# Altium PCB PCB_POWER.PcbDoc
Units mm, origin at the board's own origin, x right, y up, seen from the top; angles counter-clockwise.
Board outline 100 x 130 mm, 2 copper layers (Top Layer, Bottom Layer), stack 1.83 mm thick; 86 components, 38 nets, 278 pads, 364 vias.
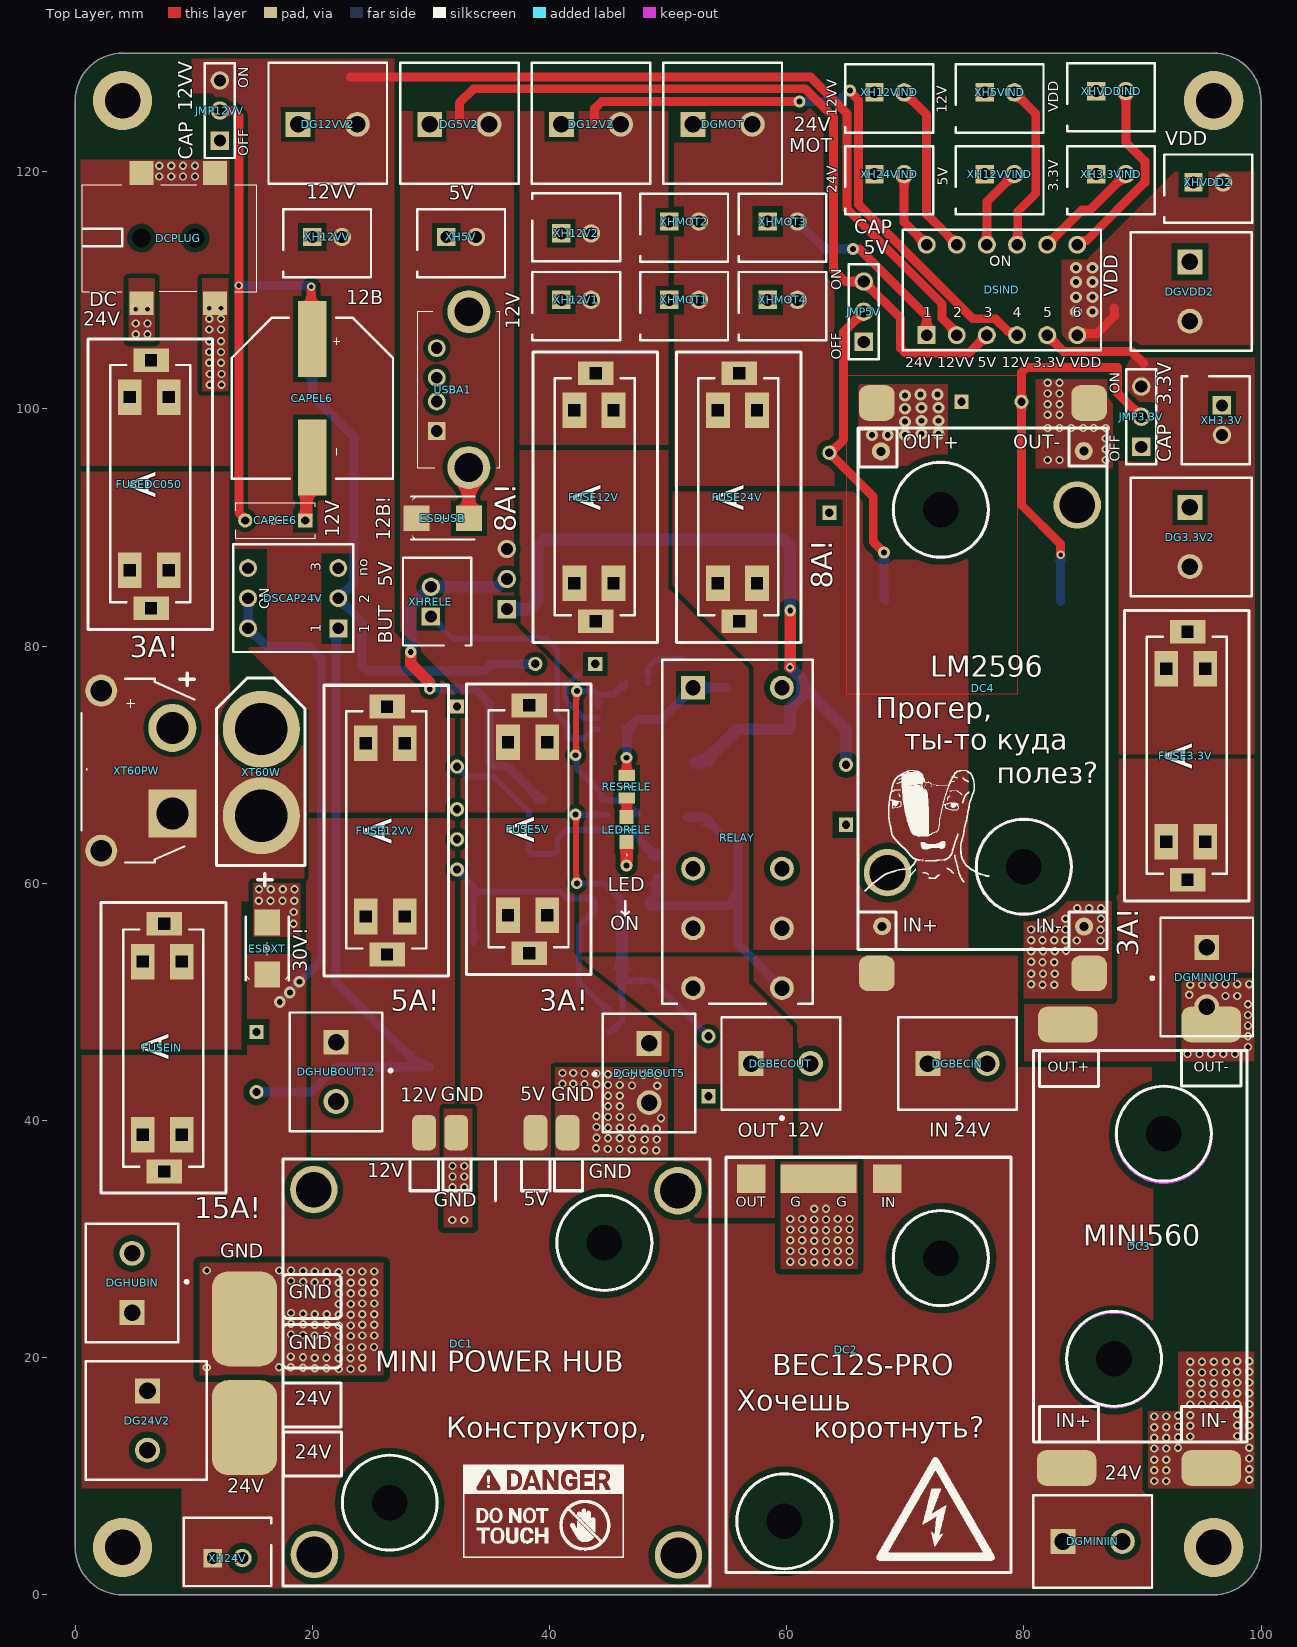
[diagram p0: Top Layer view]
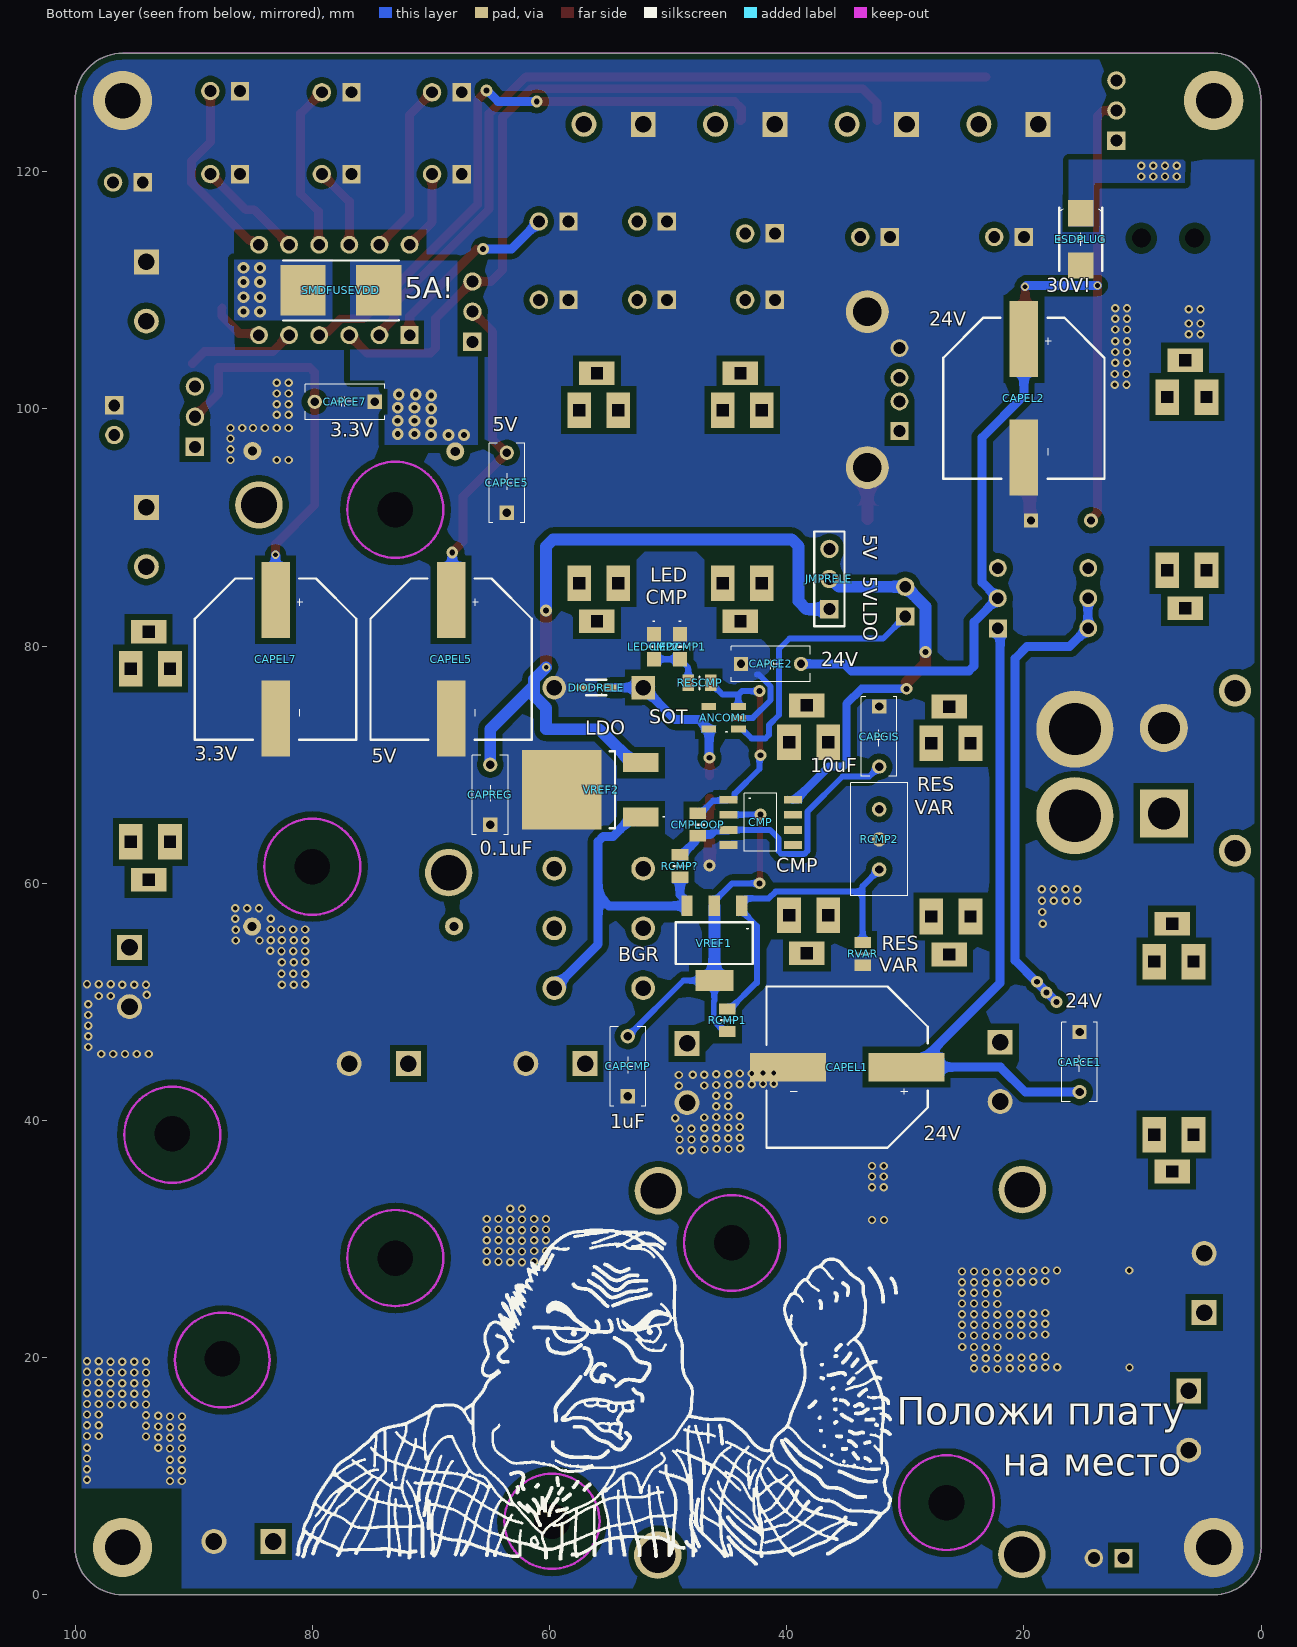
[diagram p1: Bottom Layer view, seen from below]
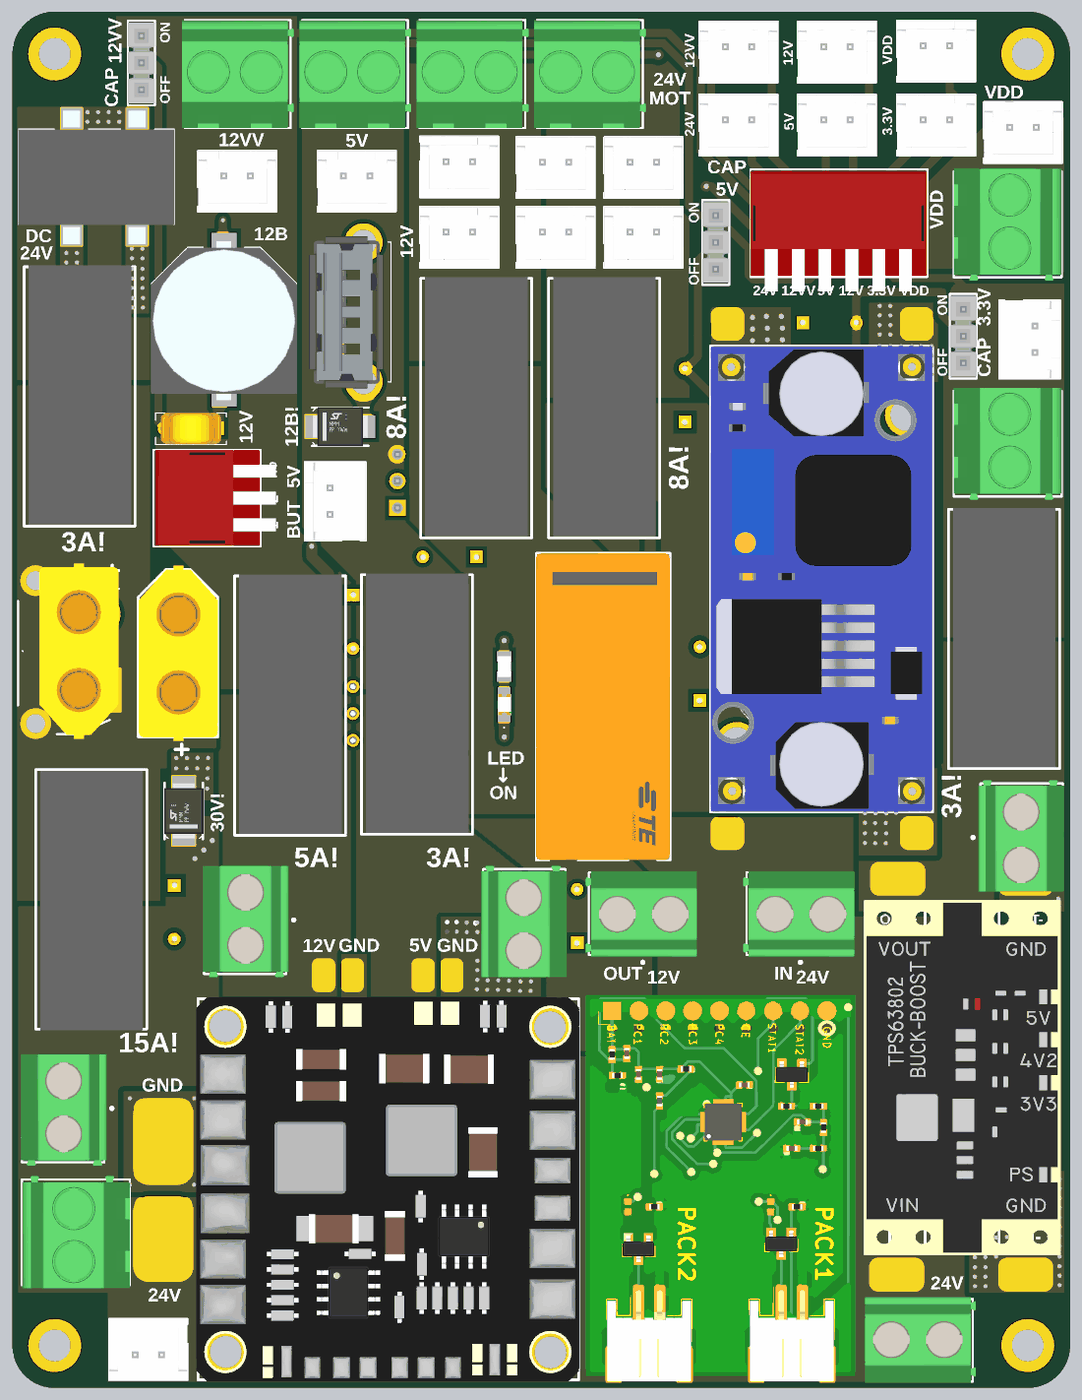
[diagram p2: 3D render of the assembled board from above, using the file's embedded part models]
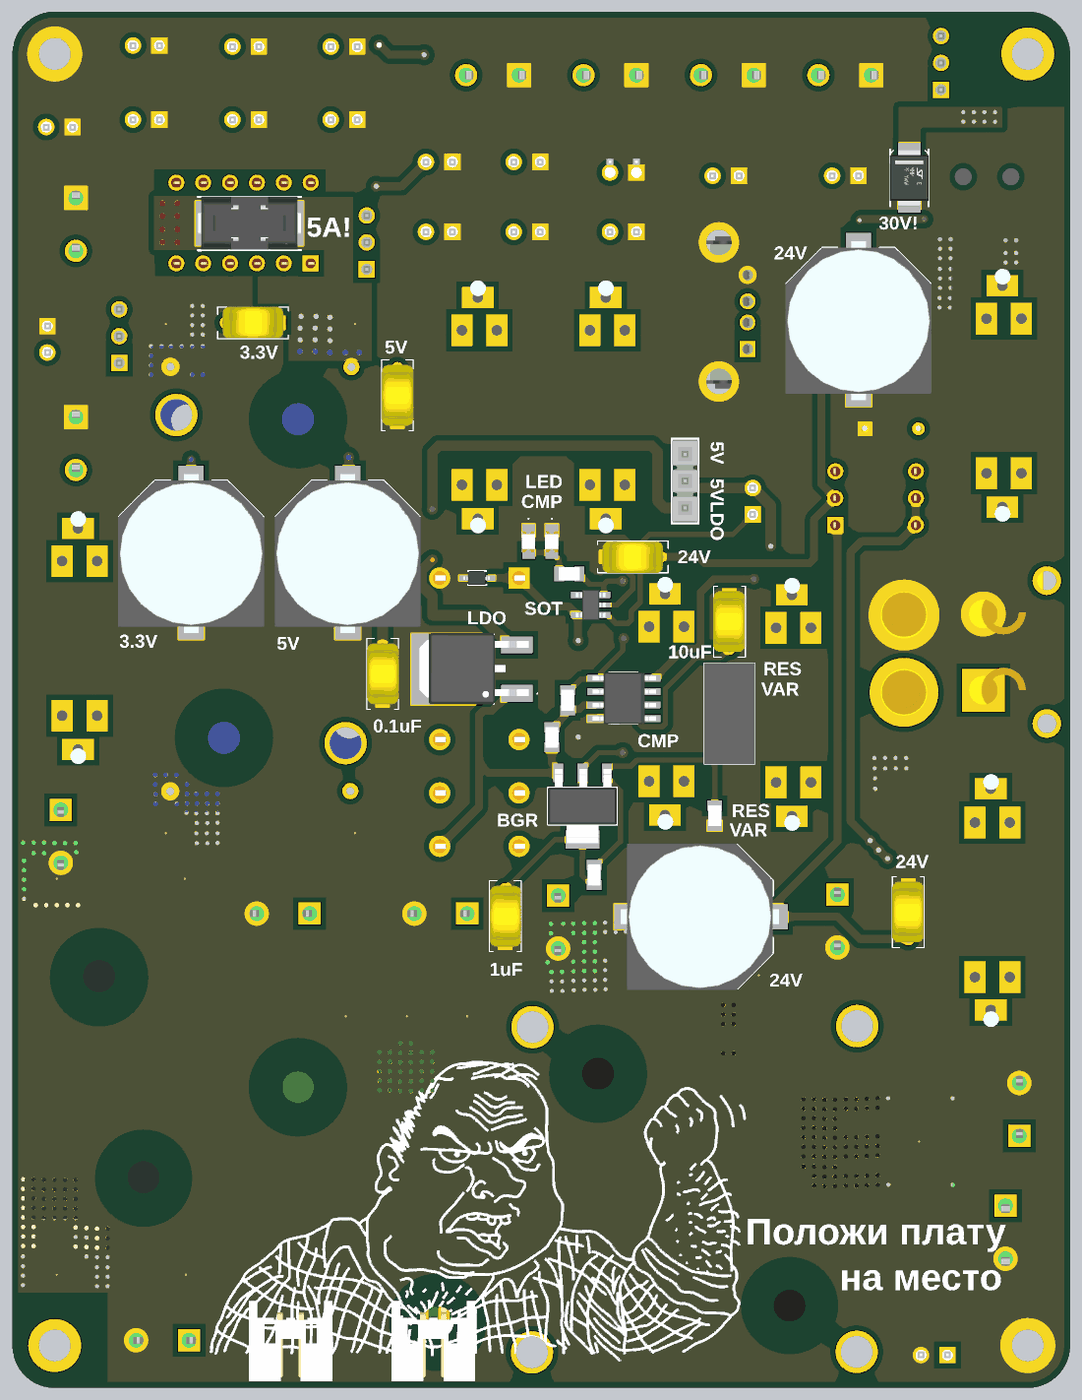
[diagram p3: 3D render of the assembled board from below, using the file's embedded part models]

## Layer stack, top to bottom
Top Solder: solder mask 0.05, Solder Resist, Dk 3.5
Top Layer: signal copper 0
Dielectric 1: dielectric 1.83, FR-4, Dk 4.6
Bottom Layer: signal copper 0
Bottom Solder: solder mask 0.05, Solder Resist, Dk 3.5

## Board outline
4,0 cw(c4,4) 0,4 0,126 cw(c4,126) 4,130 96,130 cw(c96,126) 100,126 100,4 cw(c96,4) 96,0

## Design rules (kind name [scope] priority, off if disabled: settings)
BoardOutlineClearance [All] p1: gap=0.4 ignorepadtopadclearanceinfootprint=FALSE
Clearance Clearance_26 [InNamedPolygon('12VV_L01_P000')] p1: gap=0.4 ignorepadtopadclearanceinfootprint=FALSE
Clearance Clearance_25 [InNamedPolygon('NETFUSEDC050_1_L01_P035')] p2: gap=0.4 ignorepadtopadclearanceinfootprint=FALSE
Clearance Clearance_24 [InNamedPolygon('NETDC1_4_L01_P039')] p3: gap=0.4 ignorepadtopadclearanceinfootprint=FALSE
Clearance Clearance_23 [InNamedPolygon('NETFUSE12V_1_L01_P005')] p4: gap=0.4 ignorepadtopadclearanceinfootprint=FALSE
Clearance Clearance_22 [InNamedPolygon('NETDC2_3_L01_P012')] p5: gap=0.4 ignorepadtopadclearanceinfootprint=FALSE
Clearance Clearance_21 [InNamedPolygon('5V_L01_P047')] p6: gap=0.4 ignorepadtopadclearanceinfootprint=FALSE
Clearance Clearance_20 [InNamedPolygon('12VV_L01_P004')] p7: gap=0.4 ignorepadtopadclearanceinfootprint=FALSE
Clearance Clearance_19 [InNamedPolygon('12VV_L01_P004')] p8: gap=0.4 ignorepadtopadclearanceinfootprint=FALSE
Clearance Clearance_18 [InNamedPolygon('NETDC1_3_L01_P038')] p9: gap=0.4 ignorepadtopadclearanceinfootprint=FALSE
Clearance Clearance_17 [InNamedPolygon('NETDC4_3_L01_P038')] p10: gap=0.4 ignorepadtopadclearanceinfootprint=FALSE
Clearance Clearance_16 [InNamedPolygon('3.3V_L01_P045')] p11: gap=0.4 ignorepadtopadclearanceinfootprint=FALSE
Clearance Clearance_15 [InNamedPolygon('NETDCPLUG_1_L01_P051')] p12: gap=0.4 ignorepadtopadclearanceinfootprint=FALSE
Clearance Clearance_14 [InNamedPolygon('GND_L02_P056')] p13: gap=0.5 ignorepadtopadclearanceinfootprint=FALSE
Clearance Clearance_13 [InNamedPolygon('GND_L02_P056')] p14: gap=0.4 ignorepadtopadclearanceinfootprint=FALSE
Clearance Clearance_12 [InNamedPolygon('12VV_L01_P004')] p15: gap=0.4 ignorepadtopadclearanceinfootprint=FALSE
Clearance Clearance_11 [InNamedPolygon('NETDCPLUG_1_L01_P009')] p16: gap=0.4 ignorepadtopadclearanceinfootprint=FALSE
Clearance Clearance_10 [InNamedPolygon('NETDGMOT_2_L01_P048')] p17: gap=0.4 ignorepadtopadclearanceinfootprint=FALSE
Clearance Clearance_9 [InNamedPolygon('NETDGMOT_2_L01_P048')] p18: gap=0.4 ignorepadtopadclearanceinfootprint=FALSE
Clearance Clearance_8 [InNamedPolygon('VDDIN_L02_P052')] p19: gap=0.4 ignorepadtopadclearanceinfootprint=FALSE
Clearance Clearance_7 [InNamedPolygon('12VV_L01_P004')] p20: gap=0.4 ignorepadtopadclearanceinfootprint=FALSE
Clearance Clearance_6 [InNamedPolygon('5V_L01_P047')] p21: gap=0.4 ignorepadtopadclearanceinfootprint=FALSE
Clearance Clearance_5 [InNamedPolygon('12V_L01_P046')] p22: gap=0.4 ignorepadtopadclearanceinfootprint=FALSE
Clearance Clearance_4 [InNamedPolygon('24V_L01_P041')] p23: gap=0.5 ignorepadtopadclearanceinfootprint=FALSE
Clearance Clearance_3 [InNamedPolygon('24V_L01_P041')] p24: gap=0.8 ignorepadtopadclearanceinfootprint=FALSE
Clearance Clearance_2 [InNamedPolygon('NONET_L01_P011')] p25: gap=0.3 ignorepadtopadclearanceinfootprint=FALSE
Clearance Clearance_1 [InNamedPolygon('24V_L01_P041')] p26: gap=0.3 ignorepadtopadclearanceinfootprint=FALSE
Clearance IN_POLIGON [InNamedPolygon('NETFUSEDC050_1_L01_P035')] p27: gap=0.4 ignorepadtopadclearanceinfootprint=FALSE
Clearance [All] p28: gap=0.2 ignorepadtopadclearanceinfootprint=FALSE except(0.5: Arc-Fill Arc-Poly Arc-Region Track-Fill Track-Poly Track-Region SMDPad-Fill SMDPad-Poly SMDPad-Region THPad-Fill THPad-Poly THPad-Region Via-Fill Via-Poly Via-Region Fill-Fill Fill-Poly Fill-Region Fill-Hole Poly-Poly Poly-Region Poly-Hole Region-Region Region-Hole)
ComponentClearance [All] p1: gap=0.5 collisioncheckmode=3 verticalgap=0.5 showdistances=FALSE
DiffPairsRouting [All] p1: maxlimit=100 minlimit=0.2 mostfreqgap=0.3 toplayer_minwidth=0.2 toplayer_maxwidth=100 toplayer_prefwidth=0.3 bottomlayer_minwidth=0.2 bottomlayer_maxwidth=100 bottomlayer_prefwidth=0.3 maxuncoupledlength=12.7
Height [All] p1: minheight=0 maxheight=100 prefheight=12.7
HoleSize [All] p1: absolutevalues=TRUE maxlimit=5 minlimit=0.3 maxpercent=80.000 minpercent=20.000
HoleToHoleClearance [All] p1: gap=0.2 allowstackedmicrovias=TRUE
MinimumSolderMaskSliver [All] p1: minsoldermaskwidth=0.2
PasteMaskExpansion [All] p1: expansion=0 thpadusetoppaste=TRUE thpadusebottompaste=TRUE
PlaneClearance [All] p1: clearance=1
PlaneConnect [All] p1: planeconnectstyle=Direct reliefexpansion=0.508 reliefentries=4 reliefconductorwidth=0.254 reliefairgap=0.254
PolygonConnect [All] p1: connectstyle=Direct reliefconductorwidth=0.254 reliefentries=4 polygonreliefangle="90 Angle" airgapwidth=0.254
RoutingCorners [All] p1: cornerstyle=45-Degree minsetback=2 maxsetback=2
RoutingVias [All] p1: holewidth=0.5 width=1 viastyle="Through Hole" minholewidth=0.3 minwidth=0.7 maxholewidth=0.5 maxwidth=5
SilkToSilkClearance [All] p1: silktosilkclearance=0
SilkToSolderMaskClearance [IsPad] p1: minsilkscreentomaskgap=0 clearancetoexposedcopper=FALSE
SolderMaskExpansion [All] p1: expansion=0.1 istentingtop=FALSE
UnRoutedNet [All] p1: checkbadconnections=TRUE
Width [All] p1: maxlimit=100 minlimit=0.2 preferedwidth=0.3
17 further rules are at their usual default settings.

## Classes and differential pairs
component class U_RELE_LEVEL: ANCOM1 CAPCMP CAPGIS CAPREG CMP CMPLOOP DIODRELE FUSE24V JMPRELE LEDCMP1 LEDCMP2 LEDRELE RCMP1 RCMP2 RCMP? RELAY RESCMP RESRELE RVAR VREF1 VREF2 XHRELE
component class U_VOLTAGE_INDICATION: DSIND XH3.3VIND XH5VIND XH12VIND XH12VVIND XH24VIND XHVDDIND
component class U_CAP_MATRIX: CAPCE1 CAPCE2 CAPEL1 CAPEL2 DSCAP24V
component class U_CAP_MATRIX_OUT: CAPCE5 CAPCE6 CAPCE7 CAPEL5 CAPEL6 CAPEL7 JMP3.3V JMP5V JMP12VV
component class POWER_PCB_MAIN: DCPLUG DG3.3V2 DG5V2 DG12V2 DG12VV2 DG24V2 DGMOT DGVDD2 ESDPLUG ESDUSB ESDXT FUSE3.3V FUSE5V FUSE12V FUSE12VV FUSEDC050 FUSEIN SMDFUSEVDD USBA1 XH3.3V XH5V XH12V1 XH12V2 XH12VV XH24V XHMOT1 XHMOT2 XHMOT3 XHMOT4 XHVDD2 XT60PW XT60W
component class POWER_DEVIDER: DC1 DC2 DC3 DC4 DGBECIN DGBECOUT DGHUBIN DGHUBOUT5 DGHUBOUT12 DGMINIIN DGMINIOUT

## Components (designator, comment, footprint, x,y, rotation, side; value= is the part's Value field where it differs from the comment)
ANCOM1 "MAX40203" MAX40203 44.5,75.4 r0 bottom
CAPCE1 "1uF" К10-17Б 16.833,48.3 r270 bottom
CAPCE2 "1uF" К10-17Б 44.7,76.967 r180 bottom
CAPCE5 "1uF" К10-17Б 62.067,90.4 r90 bottom
CAPCE6 "1uF" К10-17Б 20.238,92.133 r180 top
CAPCE7 "1uF" К10-17Б 73.9,102.133 r0 bottom
CAPCMP "1uF" К10-17Б 51.867,41.2 r90 bottom
CAPEL1 "470uF" CAP-12.5x13.5 31.5,51.3 r0 bottom
CAPEL2 "470uF" CAP-12.5x13.5 26.8,104.3 r270 bottom
CAPEL5 "470uF" CAP-12.5x13.5 75.1,82.3 r270 bottom
CAPEL6 "470uF" CAP-12.5x13.5 13.2,104.3 r270 top
CAPEL7 "470uF" CAP-12.5x13.5 89.9,82.3 r270 bottom
CAPGIS "1uF" К10-17Б 33.733,75.738 r270 bottom
CAPREG "1uF" К10-17Б 63.467,64.1 r90 bottom
CMP "LM393" LM393ADR 45.777,62.504 r180 bottom
CMPLOOP "100K" RES0805 48.304,66.478 r270 bottom
DC1 "MINI POWER HUB" "MINI POWER HUB" 11.325,0.375 r0 top
DC2 "BEC12S-PRO" BEC12S-PRO 54.293,0.5 r0 top
DC3 "DC MINI560" MINI560 80.802,12.894 r0 top
DC4 "DC LM2596" "DC LM2596" 62.5,56.1 r0 top
DCPLUG "DC050" DC050 14.487,120.958 r180 top
DG3.3V2 "3.3V" DG128-5.0-02P#1 99.153,84.193 r90 top
DG5V2 "DG128-5.0-02P" DG128-5.0-02P#1 37.407,129.153 r180 top
DG12V2 "DG128-5.0-02P" DG128-5.0-02P#1 48.507,129.153 r180 top
DG12VV2 "DG128-5.0-02P" DG128-5.0-02P#1 26.307,129.153 r180 top
DG24V2 "DG128-5.0-02P" DG128-5.0-02P#2 0.947,19.707 r270 top
DGBECIN "IN" DG127-5.0-02P#1 69.263,40.763 r0 top
DGBECOUT "OUT" DG127-5.0-02P#1 54.363,40.763 r0 top
DGHUBIN "DG127-5.0-02P" DG127-5.0-02P#1 8.837,21.163 r90 top
DGHUBOUT5 "DG127-5.0-02P" DG127-5.0-02P#1 44.363,49.137 r270 top
DGHUBOUT12 "DG127-5.0-02P" DG127-5.0-02P#2 26.037,38.963 r90 top
DGMINIIN "DG127-5.0-02P" DG127-5.0-02P#2 90.937,8.537 r180 top
DGMINIOUT "DG127-5.0-02P" DG127-5.0-02P#1 91.383,57.231 r270 top
DGMOT "DG128-5.0-02P" DG128-5.0-02P#1 59.607,129.153 r180 top
DGVDD2 "DG128-5.0-02P" DG128-5.0-02P#1 99.153,104.893 r90 top
DIODRELE "DIOD0805" DIOD0805 54.174,77.225 r0 bottom
DSCAP24V "DS1040-03" DS1040-03 23.421,79.441 r90 top
DSIND "DS1040-06" DS1040-06 69.8,105.125 r0 top
ESDPLUG "SM6T30A" SM6T-A 17.127,117.626 r270 bottom
ESDUSB "12В!" SM6T-A 27.674,88.873 r0 top
ESDXT "SM6T30A" SM6T-A 18.127,51.174 r90 top
FUSE3.3V "3A!" Fuse#1 99,58.5 r90 top
FUSE5V "3A!" Fuse#1 43.5,52.3 r90 top
FUSE12V "8A!" Fuse#1 49.1,80.3 r90 top
FUSE12VV "5A!" Fuse#1 31.5,52.2 r90 top
FUSE24V "8A!" Fuse#1 61.2,80.3 r90 top
FUSEDC050 "3A!" Fuse#1 11.6,81.4 r90 top
FUSEIN "15A!" Fuse#2 12.7,58.4 r270 top
JMP3.3V "CAP" JMP-03P 91.235,95.175 r90 top
JMP5V "CAP" JMP-03P 67.835,104.035 r90 top
JMP12VV "CAP" JMP-03P 13.535,120.995 r90 top
JMPRELE "JMP-03P" JMP-03P 35.065,81.495 r90 bottom
LEDCMP1 "LED0805" LED0805 49.735,81.713 r270 bottom
LEDCMP2 "LED0805" LED0805 51.935,81.713 r270 bottom
LEDRELE "GREEN" LED0805 47.235,62.773 r90 top
RCMP1 "240R" RES0805 45.804,49.978 r270 bottom
RCMP2 "RES_VAR" 3296W 34.608,68.477 r270 bottom
RCMP? "1K" RES0805 48.196,59.922 r90 bottom
RELAY "RELAY5V" RELAY-5V 49.5,78.955 r270 top
RESCMP "360R" RES0805 48.878,76.096 r180 bottom
RESRELE "360R" RES0805 47.304,66.608 r90 top
RVAR "VAL" RES0805 32.796,52.522 r90 bottom
SMDFUSEVDD "5A!" SMD_Fuse 72.492,112.654 r0 bottom
USBA1 "USBA1" USBA-1JS 27.839,109.422 r270 top
VREF1 "LM317" LM317 43.089,59.353 r0 bottom
VREF2 "78M05" 78M05 50.721,64.74 r90 bottom
XH3.3V "XH2.54-2" XH2.54-2#1 99.183,95.259 r90 top
XH3.3VIND "XH2.54-2" XH2.54-2#1 91.141,122.283 r180 top
XH5V "XH2.54-2" XH2.54-2#1 36.341,116.983 r180 top
XH5VIND "XH2.54-2" XH2.54-2#1 81.741,129.183 r180 top
XH12V1 "XH2.54-2" XH2.54-2#1 46.041,111.683 r180 top
XH12V2 "XH2.54-2" XH2.54-2#2 46.041,112.317 r180 top
XH12VIND "XH2.54-2" XH2.54-2#1 72.441,129.183 r180 top
XH12VV "XH2.54-2" XH2.54-2#1 25.041,116.983 r180 top
XH12VVIND "XH2.54-2" XH2.54-2#1 81.741,122.283 r180 top
XH24V "24V" XH2.54-2#3 9.059,0.617 r0 top
XH24VIND "XH2.54-2" XH2.54-2#1 72.441,122.283 r180 top
XHMOT1 "XH2.54-2" XH2.54-2#1 55.141,111.683 r180 top
XHMOT2 "XH2.54-2" XH2.54-2#1 55.141,118.283 r180 top
XHMOT3 "XH2.54-2" XH2.54-2#1 63.441,118.283 r180 top
XHMOT4 "XH2.54-2" XH2.54-2#1 63.441,111.683 r180 top
XHRELE "XH2.54-2" XH2.54-2#1 27.517,87.541 r270 top
XHVDD2 "VDD" XH2.54-2#1 99.341,121.583 r180 top
XHVDDIND "XH2.54-2" XH2.54-2#1 91.141,129.283 r180 top
XT60PW "" XT60PW 10.136,61.575 r90 top
XT60W "XT60" XT60 11.913,61.412 r0 top

## Footprints (in the part's own frame and the unit in brackets; to place one, negate y for a bottom-side part, rotate by r counter-clockwise, add the part's x,y. Pads: shape width x height; smd on the part's side, far side on the other; paste and mask are expansions set on the pad)
78M05 [mm]
  rect 1.6x3 smd: 1(0.86,1.579) 3(5.432,1.579)
  rect 6.7x6.7 smd: 2(3.146,8.229)
  silkscreen extent -0.1,-0.4 6.4,4.2, body extent -0.16,0.46 6.57,10.8, height 2.39
3296W [mm]
  round 1.217 hole 0.71: 1(7.317,2.408) 2(4.777,2.408) 3(2.237,2.408)
  silkscreen extent 0.01,0 9.54,4.83, body extent 0.01,-0.01 9.54,4.82, height 11.9
BEC12S-PRO [mm]
  round 0 hole 3 unplated: 0(5.5,5.7) 0(18.707,27.9)
  rect 2.4x2.4 / inner rect 2.4x2.4 / far side rect 0x0 all layers, no hole: 1(14.2,34.6) 3(2.7,34.6)
  rect 6.4x2.4 / inner rect 2.4x2.4 / far side rect 0x0 all layers, no hole: 2(8.4,34.6)
  silkscreen extent 0.6,1.4 24.6,36.4, body extent -0.1,-0.01 25.4,36.61, height 6.5
CAP-12.5x13.5 [mm]
  rect 6.4x2.4 smd: 1(-1.6,6.8) 2(8.4,6.8)
  silkscreen extent -3.4,0 10.2,13.6, body extent -4,-0.1 11,13.7, height 14.5
DC050 [mm]
  round 0.8 hole 1.6 unplated: 0(4.387,6.558) 0(8.887,6.558)
  rect 2x2 smd: 1(2.687,1.058) 1(8.887,1.058) 2(8.887,12.058) 3(2.687,12.058)
  silkscreen extent -0.81,2.05 13.89,11.06, body extent -0.8,0.3 13.9,12.9, height 11.1
"DC LM2596" [mm]
  round 4 hole 3 mask+0.1: 0(6,4.8)
  round 0 hole 3 unplated: 0(10.5,35.4) 0(17.5,5.3)
  round 4 hole 3: 0(22,35.8)
  rrect50% 3x3 / inner rect 0x0 / far side rrect50% 0x0 all layers, no hole: 1(5.1,-3.7) 2(23,-3.7) 2(23,44.4) 3(5.1,44.4)
  silkscreen extent 3.5,-1.7 24.5,42.3, body extent 3.5,-1.7 24.5,42.3, height 13.5
DG127-5.0-02P#1 [mm]
  rect 2.1x2.1 hole 1.4: 1(2.637,4.037)
  round 2.1 hole 1.4: 2(7.637,4.037)
  silkscreen extent 0.14,-0.69 10.14,7.94, body extent -0.16,-0.06 10.34,8.04, height 10
DG127-5.0-02P#2 [mm]
  round 2.1 hole 1.4: 1(2.637,4.037)
  rect 2.1x2.1 hole 1.4: 2(7.637,4.037)
  silkscreen extent 0.14,-0.69 10.14,7.94, body extent -0.16,-0.06 10.34,8.04, height 10
DG128-5.0-02P#1 [mm]
  round 2.1 hole 1.4: 1(2.507,5.153)
  rect 2.1x2.1 hole 1.4: 2(7.507,5.153)
  silkscreen extent 0.01,-0.05 10.01,10.15, body extent -0.29,-0.05 10.28,10.15, height 14
DG128-5.0-02P#2 [mm]
  rect 2.1x2.1 hole 1.4: 1(2.507,5.153)
  round 2.1 hole 1.4: 2(7.507,5.153)
  silkscreen extent 0.01,-0.05 10.01,10.15, body extent -0.29,-0.05 10.28,10.15, height 14
DIOD0805 [mm]
  rect 1.075x0.5 smd: 1(0.726,0.725) 2(3.05,0.725)
  silkscreen extent 1.02,0.07 2.74,1.4, body extent 0.67,0.07 3.18,1.38, height 1.06
DS1040-03 [mm]
  rect 1.509x1.509 hole 0.97: 1(2.059,1.226)
  round 1.509 hole 0.97: 2(4.599,1.226) 3(7.139,1.226) 4(7.139,8.846) 5(4.599,8.846) 6(2.059,8.846)
  silkscreen extent 0.06,-0.03 9.16,10.09, body extent 0.08,-1.47 9.16,9.93, height 8.55
DS1040-06 [mm]
  rect 1.509x1.509 hole 0.97: 1(2,1.1)
  round 1.509 hole 0.97: 2(4.54,1.1) 3(7.08,1.1) 4(9.62,1.1) 5(12.16,1.1) 6(14.7,1.1) 7(14.7,8.72) 8(12.16,8.72) 9(9.62,8.72) 10(7.08,8.72) 11(4.54,8.72) 12(2,8.72)
  silkscreen extent 0,-0.19 16.7,9.98, body extent -0.05,-1.55 16.65,9.85, height 8.42
Fuse#1 [mm]
  rect 2x3 hole 1 square paste-2539.97 mask+0: 1(1.8,5.2) 2(22.7,5.2)